# Altium PCB projet_pcb_nucleo_g431.PCBDOC
Units mil, origin at the board's own origin, x right, y up, seen from the top; angles counter-clockwise.
Board outline 3545 x 2760 mil, 2 copper layers (TopLayer, BottomLayer); 127 components, 120 nets, 443 pads, 0 vias.
Unrouted connection lines stored in the file: 274.
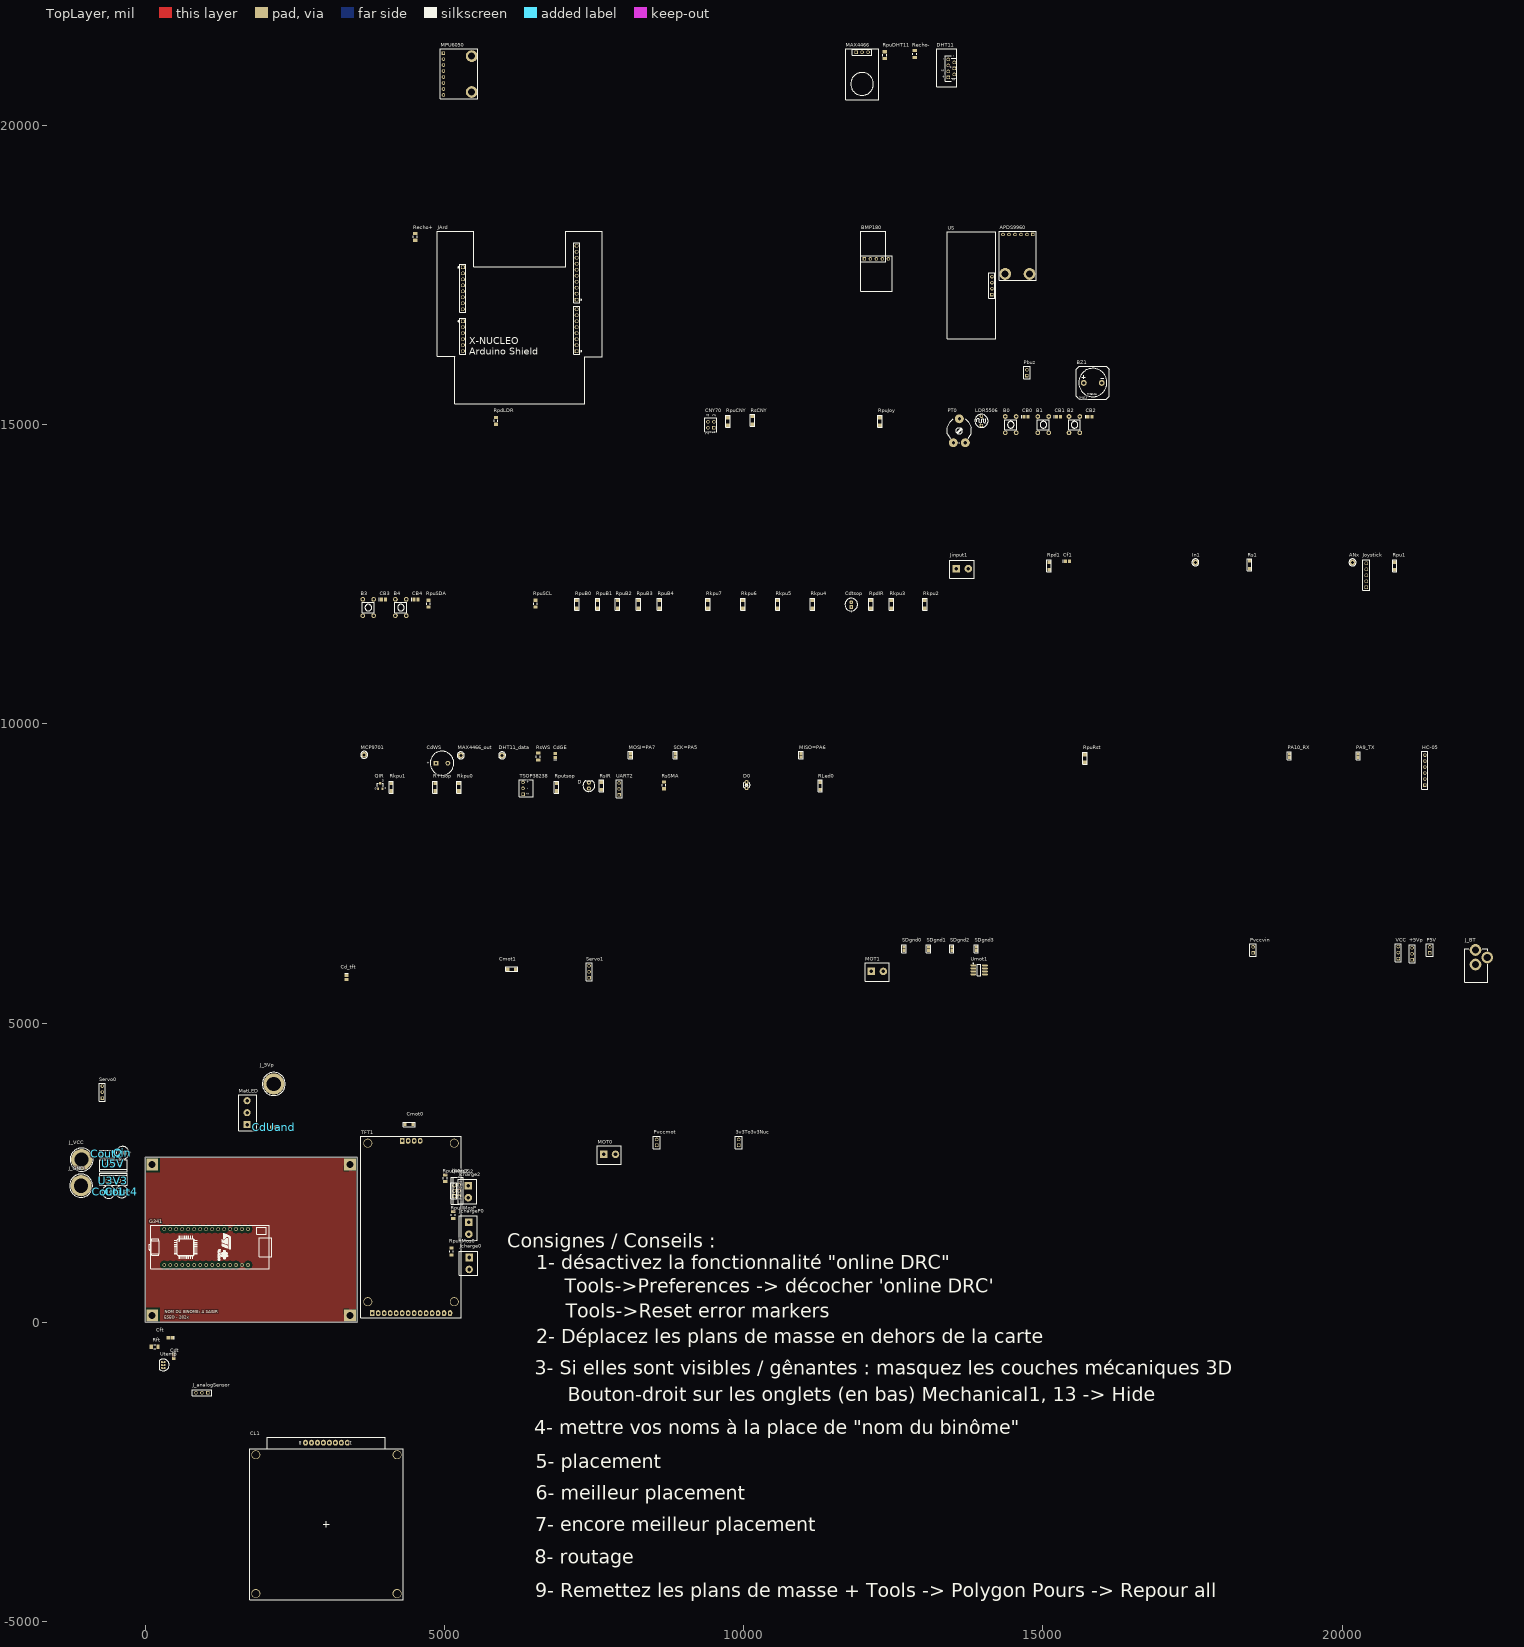
[diagram p0: TopLayer view]
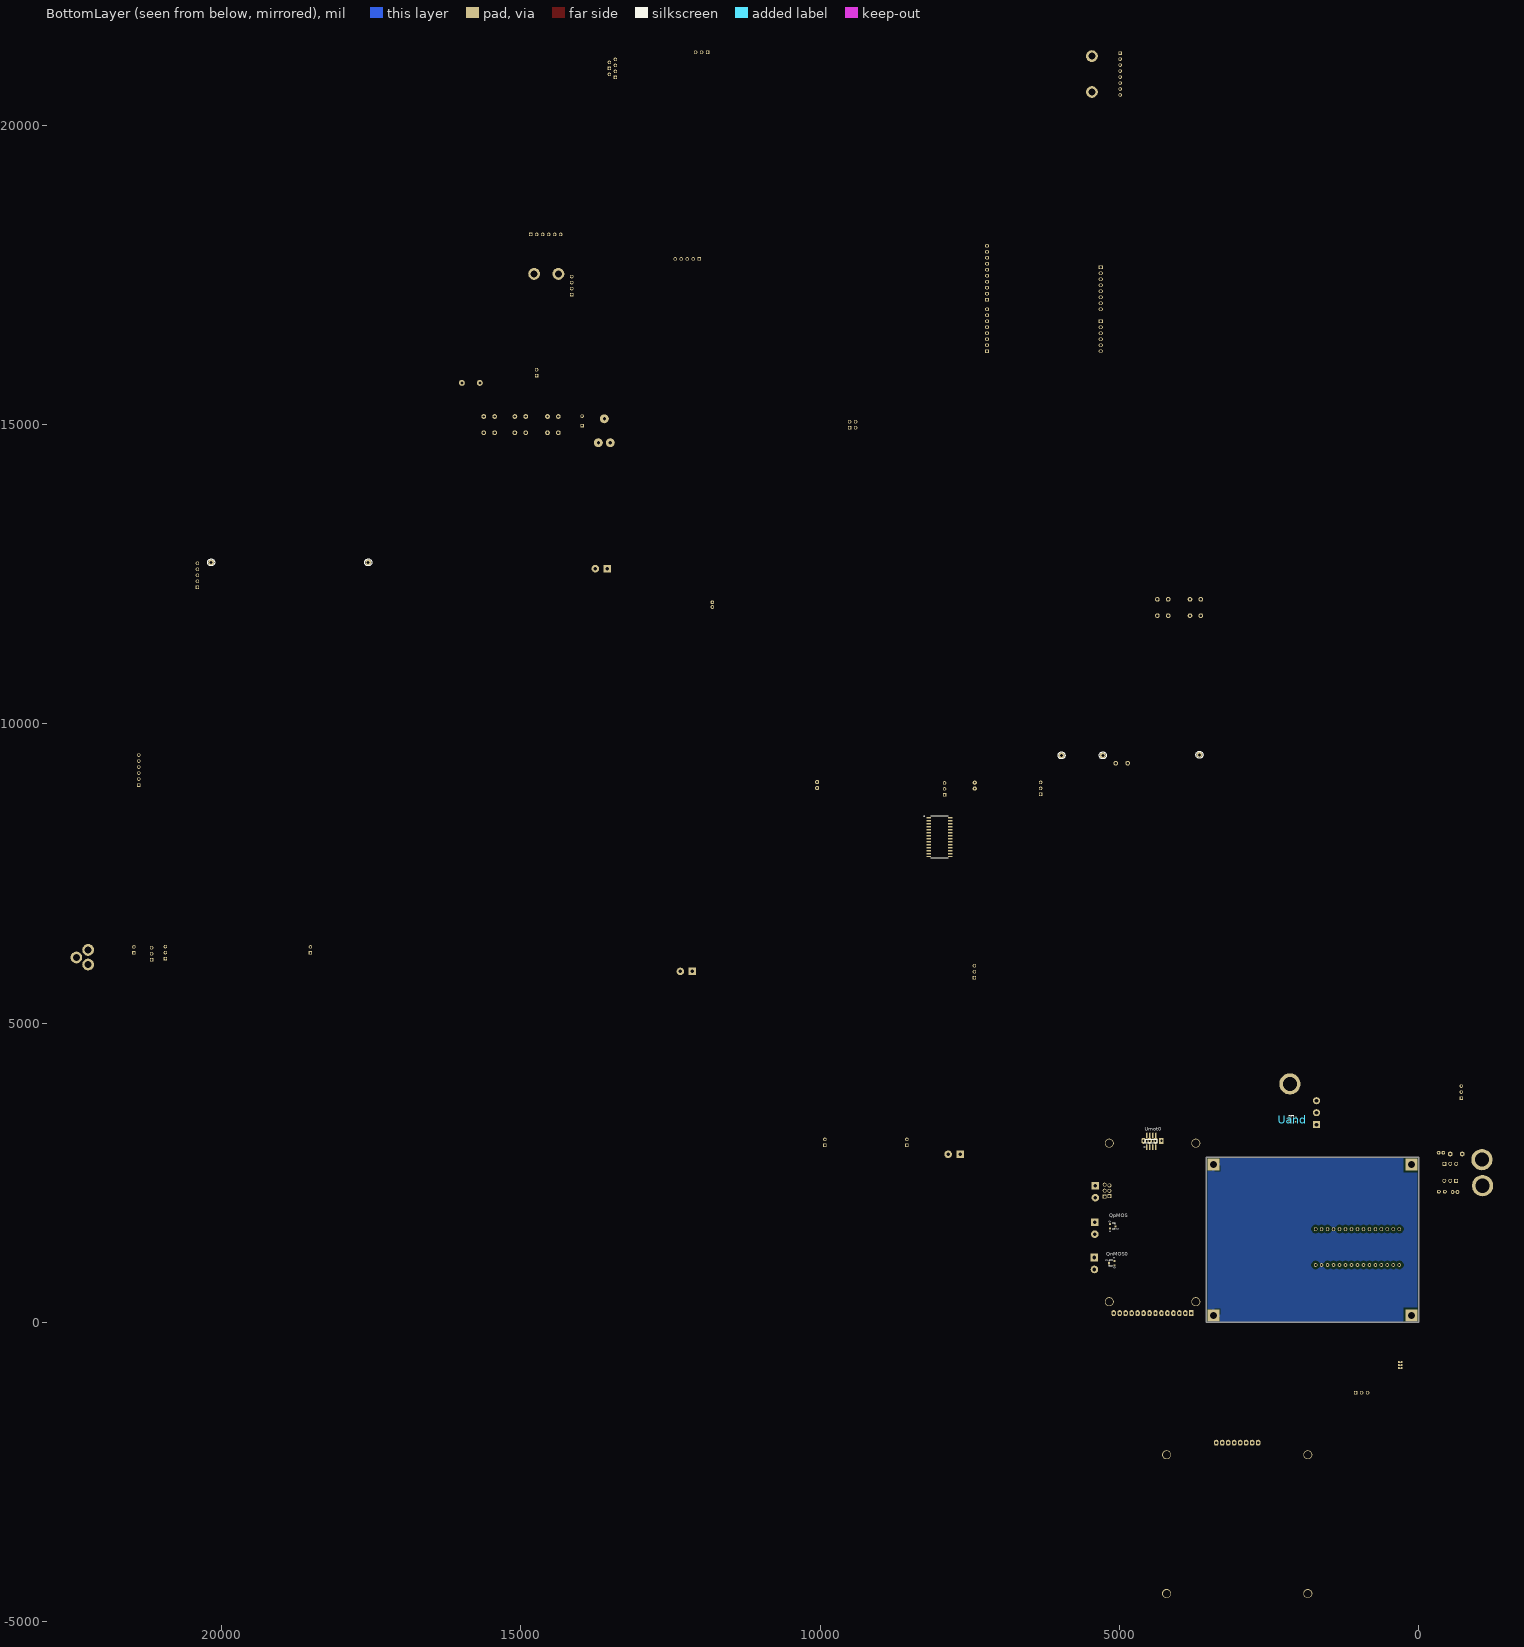
[diagram p1: BottomLayer view, seen from below]

## Layer stack, top to bottom
TopSolder: solder mask 0.4, Solder Resist, Dk 3.5
TopLayer: signal copper 1.4
Dielectric1: core 12.6, FR-4, Dk 4.8
BottomLayer: signal copper 1.4
BottomSolder: solder mask 0.4, Solder Resist, Dk 3.5

## Board outline
0,0 0,2760 3545,2760 3545,0

## Design rules (kind name [scope] priority, off if disabled: settings)
Clearance PowerPlaneClearance [InNamedPolygon('Bot-GND') Or  InNamedPolygon('Top-GND')] p1: gap=40 ignorepadtopadclearanceinfootprint=FALSE except(0: Arc-Hole Track-Hole SMDPad-Hole THPad-Hole Via-Hole Fill-Hole Poly-Hole Region-Hole Text-Hole)
Clearance [All] p2: gap=20 ignorepadtopadclearanceinfootprint=TRUE except(0: Arc-Hole Track-Hole SMDPad-Hole THPad-Hole Via-Hole Fill-Hole Poly-Hole Region-Hole Text-Hole)
FabricationTestPointUsage TestPointUsage [All] p1: valid=0 allowmultiple=FALSE
FabricationTestpoint Testpoint [All] p1: side=3 testpointundercomponent=TRUE minsize=40 maxsize=100 preferedsize=60 minholesize=20 maxholesize=40 preferedholesize=32 testpointgrid=1 allowsidetop=TRUE allowsidebottom=TRUE usegrid=TRUE gridtolerance=0.01
Height [All] p1: minheight=0 maxheight=2000 prefheight=500
HoleSize [All] p1: absolutevalues=TRUE maxlimit=300 minlimit=11.81 maxpercent=80.000 minpercent=20.000
PlaneClearance [All] p1: clearance=40
PlaneConnect [All] p1: planeconnectstyle=Relief reliefexpansion=19.68 reliefentries=4 reliefconductorwidth=40 reliefairgap=19.68
PolygonConnect [All] p1: connectstyle=Relief reliefconductorwidth=40 reliefentries=4 polygonreliefangle="90 Angle" airgapwidth=10
RoomDefinition projet_pcb_nucleo_g431 [InComponentClass('projet_pcb_nucleo_g431')] p1: confinementstyle=ConfineIn formatcopy=TRUE lockcomponents=FALSE outline 5090,95 6430,95 6430,570 5090,570
RoutingVias [All] p1: holewidth=23.62 width=60 viastyle="Through Hole" minholewidth=23.62 minwidth=60 maxholewidth=23.62 maxwidth=60
SilkToSolderMaskClearance SilkscreenOverComponentPads [IsPad] p1: minsilkscreentomaskgap=10 clearancetoexposedcopper=TRUE
SolderMaskExpansion [All] p1: expansion=2
Width [All] p1: maxlimit=1000 minlimit=20 preferedwidth=40
23 further rules are at their usual default settings.

## Components (designator, comment, footprint, x,y, rotation, side; value= is the part's Value field where it differs from the comment)
3v3To3v3Nuc "JUMPER2" BARRETTE_2_M_D 9920,2960 r90 top
+5Vp "BARRETTE3" HDR1X3 21170,6060 r90 top
ANx "Name" Point_Fil 20175,12700 r0 top
APDS9960 "APDS9960" APDS9960 14835,18180 r0 top
B0 "BOUTON_POUSSOIR_MINIATURE_TRAVERSANT" BOUTON_POUSSE_PLAT_6x6 14365,14850 r0 top
B1 "BOUTON_POUSSOIR_MINIATURE_TRAVERSANT" BOUTON_POUSSE_PLAT_6x6 14910,14850 r0 top
B2 "BOUTON_POUSSOIR_MINIATURE_TRAVERSANT" BOUTON_POUSSE_PLAT_6x6 15430,14850 r0 top
B3 "BOUTON_POUSSOIR_MINIATURE_TRAVERSANT" BOUTON_POUSSE_PLAT_6x6 3630,11795 r0 top
B4 "BOUTON_POUSSOIR_MINIATURE_TRAVERSANT" BOUTON_POUSSE_PLAT_6x6 4175,11795 r0 top
BMP180 "BMP180" BMP180 12020,17775 r0 top
BZ1 "BUZZER_SMA13" "BUZZER_SMA13  or TMB12A" 15685,15700 r0 top value=SMA13_or_TMB12A
CB0 "Condensateur 0805" C0805_N 14720,15135 r0 top value=100nF
CB1 "Condensateur 0805" C0805_N 15265,15135 r0 top value=100nF
CB2 "Condensateur 0805" C0805_N 15785,15135 r0 top value=100nF
CB3 "Condensateur 0805" C0805_N 3985,12080 r0 top value=100nF
CB4 "Condensateur 0805" C0805_N 4530,12080 r0 top value=100nF
Cd_tft "10uF" C0805_N 3365,5765 r270 top value=10µF
CdGE "CONDENSATEUR_CER_RAD_5.08" C0805_N 6855,9475 r90 top value=100nF
Cdt "Condensateur CMS 0805" C0805_N 480,-565 r270 top value=100nF
Cdtsop "CONDENSATEUR_POL_ELECTROLY_RAD_2.0/5.08" CONDENSATEUR_POLARISE_ELECTROLYTIQUE_RADIAL_2.0/5.08 11800,11995 r90 top value=4.7µF
CdUand "CONDENSATEUR_CER_RAD_5.08" C0805_N 2150,3260 r180 top value=100nF
CdWS "CONDENSATEUR_POL_ELECTROLY_RAD_5.08/10.16" CONDENSATEUR_POLARISE_ELECTROLYTIQUE_RADIAL_5.08/10.16 4860,9345 r0 top value=470µF/25V
Cf1 "Condensateur 0805" C0805_N 15410,12720 r0 top value=100nF
Cft "Condensateur CMS 0805" C0805_N 420,-255 r180 top value=100nF
Cin "CONDENSATEUR_POL_ELECTROLY_RAD_2.0/5.08" CONDENSATEUR_POLARISE_ELECTROLYTIQUE_RADIAL_2.0/5.08 -375,2835 r180 top value=10µF/>25V
CL1 "CLAVIER_16_TOUCHES" CLAVIER_16_TOUCHES 3380,-2010 r180 top
Cmot0 "CMS_1206" CONDENSATEUR_CMS_1206 4475.63,3310 r180 top value=10nF
Cmot1 "CMS_1206" CONDENSATEUR_CMS_1206 6060,5905 r0 top value=10nF
CNY70 "BARRETTE 2 CONTACTS 2 RANGEES FEMELLE DROITE" BARRETTE_2X2_F_D 9505,14950 r90 top
Cout1 "CONDENSATEUR_POL_ELECTROLY_RAD_2.0/5.08" CONDENSATEUR_POLARISE_ELECTROLYTIQUE_RADIAL_2.0/5.08 -610,2180 r0 top value=1µF/>10V
Cout2 "CONDENSATEUR_CER_RAD_5.08" CONDENSATEUR_CERAMIQUE_RADIAL_5.08 -530,2815 r180 top value=100nF
Cout4 "CONDENSATEUR_POL_ELECTROLY_RAD_2.54/5.08" CONDENSATEUR_POLARISE_ELECTROLYTIQUE_RADIAL_2.54/5.08 -340,2185 r180 top value=4.7µF/63V
D "LED_3MM" LED_5MM 7415,8970 r0 top
D0 "LED_3MM" LED_3MM 10050,8980 r0 top
DHT11 "DHT11" DHT11 13420,20805 r90 top
DHT11_data "Name" Point_Fil 5965,9475 r90 top
G341 "STM32G431KB" NUCLEO-G431KB 1020,1260 r270 top
HC-05 "BARRETTE_6 CONTACTS_1 RANGEE_FEMELLE_DROITE" BARRETTE_6_F_D 21385,8980 r90 top
In1 "Name" Point_Fil 17550,12700 r0 top
J_5Vp "DOUILLE BANANE 4mm" DOUILLE_BANANE_4mm#1 2150,3985 r0 top
J_analogSensor "BARRETTE 3 CONTACTS 1 RANGEE FEMELLE DROITE" BARRETTE_3_F_D 1050,-1175 r180 top
J_BT "EMBASE_BASSE_TENSION_2.1mm" EMBASE_BASSE_TENSION_2.1mm 22230,5685 r90 top
J_GND "DOUILLE BANANE 4mm" DOUILLE_BANANE_4mm#2 -1070,2285 r0 top
J_VCC "DOUILLE BANANE 4mm" DOUILLE_BANANE_4mm#2 -1060,2720 r0 top
JArd "X-NUCLEO-ArduinoShield" X-NUCLEO-ARDUINO_SHIELD 6260,17110 r0 top
Jcharge0 "BORNIER2 DROIT A VIS" BORNIER2_A_VIS 5415,1085 r270 top
Jcharge2 "BORNIER2 DROIT A VIS" BORNIER2_A_VIS 5400,2285 r270 top
JchargeP0 "BORNIER2 DROIT A VIS" BORNIER2_A_VIS 5410,1675 r270 top
Jinput1 "BORNIER2 DROIT A VIS" BORNIER2_A_VIS 13555,12595 r0 top
Joystick "BARRETTE_5 CONTACTS_1 RANGEE_MALE_DROITE" BARRETTE_5_M_D 20405,12285 r90 top
LDR5506 "LDR5506" LDR5506 13975,15065 r90 top
MatLED "BORNIER3 DROIT A VIS" BORNIER3_A_VIS 1705,3305 r90 top
MAX4466 "MAX4466" MAX4466 11880,21225 r0 top
MAX4466_out "Name" Point_Fil 5275,9475 r90 top
MCP9701 "Name" Point_Fil 3660,9485 r90 top
MISO=PA6 "Goutte Strap" GOUTTE_Starp 10960,9475 r90 top
MOSI=PA7 "Goutte Strap" GOUTTE_Starp 8110,9475 r90 top
MOT0 "BORNIER2 DROIT A VIS" BORNIER2_A_VIS 7660,2810 r0 top
MOT1 "BORNIER2 DROIT A VIS" BORNIER2_A_VIS 12135,5865 r0 top
MPU6050 "MPU6050" MPU6050 4985,21210 r90 top
P5V "JUMPER2" BARRETTE_2_M_D 21465,6175 r90 top
PA9_TX "Goutte Strap" GOUTTE_Starp 20270,9465 r90 top
PA10_RX "Goutte Strap" GOUTTE_Starp 19120,9465 r90 top
Pbuz "JUMPER2" BARRETTE_2_M_D 14735,15820 r90 top
PT0 "RESISTANCE_VARIABLE_TRAVERSANTE : PT10LV" TRIMMER_MONOTOUR_PT10LV 13505,14700 r0 top value=10K
Pvccmot "JUMPER2" BARRETTE_2_M_D 8550,2960 r90 top
Pvccvin "JUMPER2" BARRETTE_2_M_D 18515,6175 r90 top
QIR "TRANSISTOR_MOSFET-N_SOT23_GSD" TRANSISTOR_MOSFET-N_SOT23_GSD 3930,8965 r0 top
QnMOS0 "TRANSISTOR_MOSFET-N_SOT23_GSD" TRANSISTOR_MOSFET-N_SOT23_GSD 5125,990 r90 bottom
QnMOS2 "TRANSISTOR_MOSFET-N_TO220_GDS" TRANSISTOR_MOSFET-N_TO251AB_GDS+TO220 5165,2200 r90 top
QpMOS "TRANSISTOR_MOSFET-P_SOT23_GSD" TRANSISTOR_MOSFET-P_SOT23_GSD 5110,1605 r270 bottom
R+tsop "RESISTANCE_CMS_1206" RESISTANCE_CMS_1206 4845,8880 r90 top value=47
Recho+ "2.2k" R1206_N 4515,18140 r90 top
Recho- "3.3k" R1206_N 12860,21195 r90 top
Rft "10k" R1206_N 160,-405 r0 top
Rkpu0 "RESISTANCE_CMS_1206" RESISTANCE_CMS_1206 5245,8880 r90 top value=10k
Rkpu1 "RESISTANCE_CMS_1206" RESISTANCE_CMS_1206 4115,8880 r90 top value=10k
Rkpu2 "RESISTANCE_CMS_1206" RESISTANCE_CMS_1206 13030,11935 r90 top value=10k
Rkpu3 "RESISTANCE_CMS_1206" RESISTANCE_CMS_1206 12470,11935 r90 top value=10k
Rkpu4 "RESISTANCE_CMS_1206" RESISTANCE_CMS_1206 11150,11935 r90 top value=10k
Rkpu5 "RESISTANCE_CMS_1206" RESISTANCE_CMS_1206 10570,11935 r90 top value=10k
Rkpu6 "RESISTANCE_CMS_1206" RESISTANCE_CMS_1206 9990,11935 r90 top value=10k
Rkpu7 "RESISTANCE_CMS_1206" RESISTANCE_CMS_1206 9405,11935 r90 top value=10k
RLed0 "RESISTANCE_CMS_1206" RESISTANCE_CMS_1206 11280,8900 r90 top value=150
Rpd1 "RESISTANCE_CMS_1206" RESISTANCE_CMS_1206 15105,12575 r90 top value=10k
RpdIR "RESISTANCE_CMS_1206" RESISTANCE_CMS_1206 12130,11935 r90 top value=1K
RpdLDR "10k" R1206_N 5865,15065 r90 top
Rpu1 "RESISTANCE_CMS_1206" RESISTANCE_CMS_1206 20880,12575 r90 top value=10k
RpuB0 "RESISTANCE_CMS_1206" RESISTANCE_CMS_1206 7215,11935 r90 top value=10k
RpuB1 "RESISTANCE_CMS_1206" RESISTANCE_CMS_1206 7565,11935 r90 top value=10k
RpuB2 "RESISTANCE_CMS_1206" RESISTANCE_CMS_1206 7895,11935 r90 top value=10k
RpuB3 "RESISTANCE_CMS_1206" RESISTANCE_CMS_1206 8245,11935 r90 top value=10k
RpuB4 "RESISTANCE_CMS_1206" RESISTANCE_CMS_1206 8595,11935 r90 top value=10k
RpuCNY "RESISTANCE CMS 1206" RESISTANCE_CMS_1206 9740,14990 r90 top value=10K
RpuDHT11 "10k" R1206_N 12360,21175 r90 top
RpuJoy "RESISTANCE_CMS_1206" RESISTANCE_CMS_1206 12280,14990 r90 top value=10k
RpullMos0 "RESISTANCE_AXIALE_1/4W" R1206_N 5120,1185 r270 top value=10K
RpullMos2 "RESISTANCE_AXIALE_1/4W" R1206_N 5015,2410 r270 top value=10K
RpullMosP "RESISTANCE_AXIALE_1/4W" R1206_N 5150,1795 r270 top value=10K
RpuRst "RESISTANCE_CMS_1206" RESISTANCE_CMS_1206 15705,9360 r90 top value=10k
RpuSCL "RESISTANCE_CMS_1206" R1206_N 6525,12010 r90 top value=4.7k
RpuSDA "RESISTANCE_CMS_1206" R1206_N 4735,12010 r90 top value=4.7k
Rputsop "RESISTANCE_CMS_1206" RESISTANCE_CMS_1206 6875,8880 r90 top value=10K
Rs1 "RESISTANCE_CMS_1206" RESISTANCE_CMS_1206 18455,12595 r90 top value=10k
RsCNY "RESISTANCE CMS 1206" RESISTANCE_CMS_1206 10150,15010 r90 top value=100
RsIR "RESISTANCE_CMS_1206" RESISTANCE_CMS_1206 7625,8900 r90 top value=33
RsSMA "RESISTANCE_CMS_1206" R1206_N 8670,8975 r90 top value=220
RsWS "RESISTANCE_CMS_1206" R1206_N 6570,9455 r90 top value=220
SCK=PA5 "Goutte Strap" GOUTTE_Starp 8860,9475 r90 top
SDgnd0 "Goutte Strap" GOUTTE_Starp 12680,6240 r90 top
SDgnd1 "Goutte Strap" GOUTTE_Starp 13090,6240 r90 top
SDgnd2 "Goutte Strap" GOUTTE_Starp 13480,6240 r90 top
SDgnd3 "Goutte Strap" GOUTTE_Starp 13890,6240 r90 top
Servo0 "BARRETTE 3 CONTACTS 1 RANGEE MALE DROITE" BARRETTE_3_M_D -715,3750 r90 top
Servo1 "BARRETTE 3 CONTACTS 1 RANGEE MALE DROITE" BARRETTE_3_M_D 7420,5760 r90 top
TFT1 "ECRAN_TFT_2.4_TACTILE" ECRAN_TFT_2.4_TACTILE 5285,75 r90 top
TSOP38238 "TSOP38238" tsop38238 6315,8825 r90 top
U3V3 "REGULATEUR_TO220_78XX" REGULATEUR_TO220_78XX -530,2365 r0 top
U5V "REGULATEUR_TO220_78XX" REGULATEUR_TO220_78XX -530,2650 r180 top
Uand "SN74AHCT1G08DBVR" DBV0005A_N 2105,3390 r180 bottom
UART2 "BARRETTE3" HDR1X3 7920,8815 r90 top
Umot0 "BD6221F-E2" SOIC8_PAS=1.27_LARG=4_LONG=5 4465,3025 r90 bottom
Umot1 "BD6221F-E2" SOIC8_PAS=1.27_LARG=4_LONG=5 13935,5890 r0 top
US "HC-SR04" HC-SR04 14150,17175 r90 top
Utemp "CAPTEUR_TEMPERATURE_MCP9701-E/TO" COMPOSANT_TO92 305,-710 r180 top
VCC "BARRETTE3" HDR1X3 20940,6080 r90 top
? "MCP23S17-E/SO" SOIC127P1030X265-28N 8005,8110 r180 bottom

## Footprints (in the part's own frame and the unit in brackets; to place one, negate y for a bottom-side part, rotate by r counter-clockwise, add the part's x,y. Pads: shape width x height; smd on the part's side, far side on the other; paste and mask are expansions set on the pad)
APDS9960 [mm]
  rect 1.5x1.5 hole 0.9: 1(0,0)
  round 1.5 hole 0.9: 2(-2.54,0) 3(-5.08,0) 4(-7.62,0) 5(-10.16,0) 6(-12.7,0)
  round 5 hole 3: FIX(-11.77,-16.76) FIX(-1.44,-16.76)
  silkscreen extent -14.35,-19.43 1.4,1.27, body extent -14.35,-19.23 1.4,1.21, height 14.04
BARRETTE_2_M_D [mm] "BARRETTE 2 CONTACTS ; 1 RANGEE ; DROITE ; MALE ; ESPACEMENT BROCHES = 2.54 mm"
  rect 1.5x1.5 hole 0.9: 1(0,0)
  round 1.5 hole 0.9: 2(2.54,0)
  silkscreen extent -1.4,-1.4 3.94,1.4, body extent -1.3,-1.2 3.78,1.3, height 8.55
BARRETTE_2X2_F_D [mm] "BARRETTE 2 CONTACTS ; 2 RANGEES ; DROITE ; FEMELLE ; ESPACEMENT BROCHES = 2.54 mm"
  rect 1.5x1.5 hole 0.9: 1(0,0)
  round 1.5 hole 0.9: 2(0,2.54) 3(2.54,0) 4(2.54,2.54)
  silkscreen extent -1.6,-1.27 4.2,3.81, body extent -1.5,-1.2 4.09,3.75, height 8.5
BARRETTE_3_F_D [mm] "BARRETTE 3 CONTACTS ; 1 RANGEE ; DROITE ; FEMELLE ; ESPACEMENT BROCHES = 2.54 mm"
  rect 1.5x1.5 hole 0.9: 1(0,0)
  round 1.5 hole 0.9: 2(2.54,0) 3(5.08,0)
  silkscreen extent -1.7,-1.27 6.61,1.27, body extent -1.56,-1.21 6.56,1.2, height 8.5
BARRETTE_3_M_D [mm] "BARRETTE 3 CONTACTS ; 1 RANGEE ; DROITE ; MALE ; ESPACEMENT BROCHES = 2.54 mm"
  rect 1.5x1.5 hole 0.9: 1(0,0)
  round 1.5 hole 0.9: 2(2.54,0) 3(5.08,0)
  silkscreen extent -1.27,-1.27 6.35,1.27, body extent -1.21,-1.42 6.41,1.5, height 8.61
BARRETTE_5_M_D [mm] "BARRETTE 5 CONTACTS ; 1 RANGEE ; DROITE ; MALE ; ESPACEMENT BROCHES = 2.54 mm"
  rect 1.5x1.5 hole 0.9: 1(0,0)
  round 1.5 hole 0.9: 2(2.54,0) 3(5.08,0) 4(7.62,0) 5(10.16,0)
  silkscreen extent -1.38,-1.56 11.56,1.59, body extent -1.25,-1.42 11.45,1.5, height 8.51
BARRETTE_6_F_D [mm] "BARRETTE 6 CONTACTS ; 1 RANGEE ; DROITE ; FEMELLE ; ESPACEMENT BROCHES = 2.54 mm"
  rect 1.5x1.5 hole 0.9: 1(0,0)
  round 1.5 hole 0.9: 2(2.54,0) 3(5.08,0) 4(7.62,0) 5(10.16,0) 6(12.7,0)
  silkscreen extent -1.7,-1.27 14.3,1.27, body extent -1.57,-1.2 14.17,1.21, height 8.5
BMP180 [mm]
  rect 1.5x1.5 hole 0.9: 1(-0.02,-0.077)
  round 1.5 hole 0.9: 2(2.52,-0.077) 3(5.06,-0.077) 4(7.6,-0.077) 5(10.14,-0.077)
  silkscreen extent -1.62,-13.84 11.81,11.56, body extent -1.54,-13.85 11.68,11.48, height 14.24
BORNIER2_A_VIS [mm] "BORNIER 2 PLOTS A VIS ; VERTICAL ; ESPACEMENT BROCHES = 5.08mm"
  rect 3.2x3.2 hole 1.5: 1(0,0)
  round 3.2 hole 1.5: 2(5.08,0)
  silkscreen extent -2.69,-4.15 7.62,3.63, body extent -2.5,-4 7.5,3.5, height 10
BORNIER3_A_VIS [mm] "BORNIER 3 PLOTS A VIS ; VERTICAL ; ESPACEMENT BROCHES = 5.08mm"
  rect 3x3 hole 1.5: 1(0,0)
  round 3 hole 1.5: 2(5.08,0) 3(10.16,0)
  silkscreen extent -2.54,-4.16 12.74,3.64, body extent -2.4,-4 12.6,3.5, height 10
BOUTON_POUSSE_PLAT_6x6 [mil] "BOUTON POUSSOIR MINIATURE ON/OFF; BOUTON PLAT/LONG ; ESPACEMENT BROCHES = 7.62mm/5.08mm"
  round 79 hole 40: 1(7.87,15.75) 2(188.98,15.75) 3(188.98,287.4) 4(7.87,287.4)
  silkscreen extent 0,67 197,236, body extent -22,-1 222,310, height 276
"BUZZER_SMA13  or TMB12A" [mil] "BUZZER SMA13 ; DIMENSIONS :13.96mm x 13.96mm ; ESPACEMENT BROCHES : 7.62mm"
  round 99 hole 52: 1(0,0) 2(300,0)
  silkscreen extent -125,-275 425,275, body extent -126,-276 425,276, height 374
C0805_N [mm] "Chip Capacitor, Body 2.0x1.3mm, IPC Medium Density"
  rect 1.3x1.5 smd: 1(-0.85,0) 2(0.85,0)
  silkscreen extent -1.8,-0.65 -1.8,0.65, body extent -0.99,-0.63 1.01,0.63, height 0.8
CLAVIER_16_TOUCHES [mil] "CLAVIER 65mm x 69mm"
  oval 79x100 hole 40: 1(0,0) 2(100,0) 3(200,0) 4(300,0) 5(400,0) 6(500,0) 7(600,0) 8(700,0)
  round 150 hole 126: FIX1(-830,2520) FIX2(1530,2520) FIX3(1530,200) FIX4(-830,200)
  silkscreen extent -930,-95 1630,2620
COMPOSANT_TO92 [mm] "BOITIER TO92 ; 3 BROCHES EN LIGNE; DIAMETRE CORPS : 4.5mm ; BROCHES : 0.51mm x 0.48mm"
  rect 2x1 hole 0.6: 1(0,-1.27)
  oval 2x1 hole 0.6: 2(0,0) 3(0,1.27)
  silkscreen extent -2.48,-2.48 1.5,2.48, body extent -2.43,-2.4 1.5,2.4, height 6
CONDENSATEUR_CERAMIQUE_RADIAL_5.08 [mil] "CONDENSATEUR TRAVERSANT CERAMIQUE RADIAL ; DIMENSIONS : 3.17mm x 5.08mm"
  round 79 hole 40: 1(0,0) 2(200,0)
  silkscreen extent -25,-62 225,63, body extent -11,-43 209,42, height 148
CONDENSATEUR_CMS_1206 [mil] "CONDENSATEUR CMS 1206 ; DIMENSIONS : 3.2mm x 1.6mm"
  rect 51.18x60 smd: 1(0,0) 2(130,0)
  silkscreen extent -35,-39 165,39, body extent 0,-30 126,31, height 64
CONDENSATEUR_POLARISE_ELECTROLYTIQUE_RADIAL_2.0/5.08 [mil] "CONDENSATEUR POLARISE ELECTROLYTIQUE RADIAL ; DIAMETRE : 5.08mm ; ESPACEMENT BROCHES : 2mm"
  rect 64x64 / inner round 64 / far side round 64 hole 32: 1(-39.37,0)
  round 64 hole 32: 2(39.37,0)
  silkscreen extent -106,-106 106,105, body extent -98,-98 98,98, height 433
CONDENSATEUR_POLARISE_ELECTROLYTIQUE_RADIAL_2.54/5.08 [mil] "CONDENSATEUR_POLARISE_ELECTROLYTIQUE_RADIAL ; DIAMETRE : 5.08mm ; ESPACEMENT BROCHES : 2.54mm"
  rect 64x64 / inner round 64 / far side round 64 hole 32: 1(0,0)
  round 64 hole 32: 2(100,0)
  silkscreen extent -50,-100 150,100, body extent -50,-101 149,98, height 446
CONDENSATEUR_POLARISE_ELECTROLYTIQUE_RADIAL_5.08/10.16 [mil] "CONDENSATEUR POLARISE ELECTROLYTIQUE RADIAL ; DIAMETRE : 10.16mm ; ESPACEMENT BROCHES : 5.08mm"
  rect 79x79 / inner round 79 / far side round 79 hole 40: 1(0,0)
  round 79 hole 40: 2(200,0)
  silkscreen extent -98,-199 299,198, body extent -98,-197 295,197, height 630
DBV0005A_N [mm] "SOT23, 5-Leads, Body 3.05x1.75mm, Pitch 0.95mm, IPC Medium Density"
  rect 1x0.6 smd: 1(-1.375,0.95) 2(-1.375,0) 3(-1.375,-0.95) 4(1.375,-0.95) 5(1.375,0.95)
  silkscreen extent -1.5,-1.55 0.5,1.92, body extent -1.42,-1.46 1.42,1.46, height 1.08
DHT11 [mm] "HC-SR04 ; Telemetre UltraSon ; BARRETTE 4 CONTACTS ; 1 RANGEE ; DROITE ; FEMELLE ; ESPACEMENT BROCHES = 2.54 mm"
  rect 1.5x1.5 hole 0.9: 1(0,0) 1(3.81,-2.54)
  round 1.5 hole 0.9: 2(1.27,-2.54) 2(2.54,0) 3(5.08,0) 4(6.35,-2.54) 4(7.62,0)
  silkscreen extent -3.94,-3.68 12.06,4.95, body extent -3.93,-3.68 12.06,4.94, height 30.09
DOUILLE_BANANE_4mm#1 [mm] "DOUILLE BANANE ; DIAMETRE PASSAGE CONTACT = 4 mm ; DIAMETRE PERCAGE = 6 mm"
  round 9 hole 6: 1(0,0)
  TopLayer pour cut-out: -5.55,2.35 -4.2,4.3 -2.3,5.6 0,6 2.3,5.6 4.2,4.3 5.55,2.35 6,0 5.55,-2.35 4.3,-4.25 2.35,-5.55 0,-6 -2.35,-5.55 -4.2,-4.3 -5.55,-2.35 -6,0
  BottomLayer pour cut-out: -5.55,2.35 -4.2,4.3 -2.3,5.6 0,6 2.3,5.6 4.2,4.3 5.55,2.35 6,0 5.55,-2.35 4.3,-4.25 2.35,-5.55 0,-6 -2.35,-5.55 -4.2,-4.3 -5.55,-2.35 -6,0
  silkscreen extent -4.89,-4.89 4.89,4.89, body extent -5.5,-5.6 5.63,5.53, height 4.79
DOUILLE_BANANE_4mm#2 [mm] "DOUILLE BANANE ; DIAMETRE PASSAGE CONTACT = 4 mm ; DIAMETRE PERCAGE = 6 mm"
  round 9 hole 6: 1(0,0)
  silkscreen extent -4.89,-4.89 4.89,4.89, body extent -5.5,-5.6 5.63,5.53, height 4.79
ECRAN_TFT_2.4_TACTILE [mil]
  round 150 hole 125: 0(272.44,1563.78) 0(272.44,118.11) 0(2920.47,118.11) 0(2920.47,1563.78)
  rect 100x75 hole 40: 1(80,1490) 18(2959.84,990)
  oval 100x75 hole 40: 2(80,1390) 3(80,1290) 4(80,1190) 5(80,1090) 6(80,990) 7(80,890) 8(80,790) 9(80,690) 10(80,590) 11(80,490) 12(80,390) 13(80,290) 14(80,190) 15(2959.84,690) 16(2959.84,790) 17(2959.84,890)
  silkscreen extent 0,-1 3039,1682, body extent 0,-2 3039,1680, height 337
EMBASE_BASSE_TENSION_2.1mm [mm] "EMBASE D'ALIMENTATION BASSE TENSION ; FEMELLE ; CONTACT REPOS ENTRE 2/3 ; MONTAGE PCB ; COUDE ; ESPACEMENT BROCHES = 6.2mm/5.08mm"
  round 5 hole 3: 1(13.7,0) 2(10.5,-5) 3(7.5,0)
  silkscreen extent 0,-5.1 14.3,4.5, body extent 0.03,-4.98 14.18,4.6, height 11.05
GOUTTE_Starp [mil]
  rect 50x50 smd mask+7.87: 1(-25,0) 2(35,0)
  silkscreen extent -60,-35 70,35
HC-SR04 [mm] "HC-SR04 ; Telemetre UltraSon ; BARRETTE 4 CONTACTS ; 1 RANGEE ; DROITE ; FEMELLE ; ESPACEMENT BROCHES = 2.54 mm"
  rect 1.5x1.5 hole 0.9: 1(0,0)
  round 1.5 hole 0.9: 2(2.54,0) 3(5.08,0) 4(7.62,0)
  silkscreen extent -18.81,-1.58 26.69,18.92, body extent -18.81,-1.58 26.69,18.92, height 24.78
HDR1X3 [mm]
  rect 1.5x1.5 hole 0.9: 1(0,0)
  round 1.5 hole 0.9: 2(2.54,0) 3(5.08,0)
  silkscreen extent -1.27,-1.27 6.35,1.27, body extent -1.27,-1.27 6.35,1.27, height 10.1
LDR5506 [mm]
  rect 1.5x1.5 hole 0.9: 1(-2,0)
  round 1.5 hole 0.9: 2(2,0)
  silkscreen extent -2.79,-2.79 2.79,2.79, body extent -2.5,-1.8 2.5,1.8, height 1.52
LED_3MM [mm] "LED 3mm; 2 Leads"
  round 1.8 hole 0.8: 1(0,-1.27) 2(0,1.27)
  silkscreen extent -1.5,-1.06 1.5,1.06, body extent -1.64,-1.65 1.65,1.65, height 5.51
LED_5MM [mm] "LED 5mm; 2 Leads"
  round 1.8 hole 0.8: 1(0,-1.27) 2(0,1.27)
  silkscreen extent -2.5,-2.5 2.5,2.16, body extent -3.02,-2.99 3,2.5, height 12.31
MAX4466 [mm]
  rect 1.5x1.5 hole 0.9: 1(0,0)
  round 1.5 hole 0.9: 2(2.54,0) 3(5.08,0)
  silkscreen extent -4.44,-20.19 9.65,1.52, body extent -4.44,-20.07 9.53,1.52, height 17.6
MPU6050 [mm]
  rect 1.5x1.5 hole 0.9: 1(0,0)
  round 1.5 hole 0.9: 2(-2.54,0) 3(-5.08,0) 4(-7.62,0) 5(-10.16,0) 6(-12.7,0) 7(-15.24,0) 8(-17.78,0)
  round 5 hole 3: FIX(-16.51,-12) FIX(-1.27,-12)
  silkscreen extent -19.3,-14.6 1.91,1.27, body extent -19.3,-14.54 1.93,1.33, height 14.7
NUCLEO-G431KB [mil] "STM32 Nucleo-32 development board with STM32G431KB MCU"
  round 60 hole 39.37: 1(-300,700) 2(-300,600) 3(-300,500) 4(-300,400) 5(-300,300) 6(-300,200) 7(-300,100) 8(-300,0) 9(-300,-100) 10(-300,-200) 11(-300,-300) 12(-300,-400) 13(-300,-500) 14(-300,-600) 15(-300,-700) 16(300,700) 17(300,600) 18(300,500) 19(300,400) 20(300,300) 21(300,200) 22(300,100) 23(300,0) 24(300,-100) 25(300,-200) 26(300,-300) 27(300,-400) 28(300,-500) 29(300,-600) 30(300,-700)
  silkscreen extent -362,-955 366,1096, body extent -362,-953 368,1096, height 842
Point_Fil [mm] "PASTILLE TRAVERSANTE ; DIAMETRE = 3 mm ; DIAMETRE PERCAGE = 1.3 mm"
  round 2.5 hole 1.3: 1(0,0)
  silkscreen extent -1.5,-1.5 1.5,1.5
R1206_N [mm] "Chip Resistor, Body 3.2x1.6mm, IPC Medium Density"
  rect 1.3x1.8 smd: 1(-1.45,0) 2(1.45,0)
  silkscreen extent -0.4,-0.8 0.4,0.8, body extent -1.68,-0.87 1.68,0.87, height 0.71
REGULATEUR_TO220_78XX [mm] "BOITIER TO220 ; DIMENSIONS : 11.2mm x 4.7mm ; ESPACEMENT BROCHES : 2.54 mm"
  rect 1.7x1.7 hole 1.1: 1(-2.54,0)
  round 1.7 hole 1.1: 2(0,0) 3(2.54,0)
  silkscreen extent -5.83,-1.77 5.8,3.29, body extent -5.61,-1.59 5.61,3.1, height 19.33
RESISTANCE_CMS_1206 [mil] "RESISTANCE CMS 1206 ; DIMENSIONS : 3.2mm x 1.6mm"
  rect 60x60 smd: 1(0,0) 2(130,0)
  silkscreen extent -35,-35 165,35, body extent 0,-31 126,31, height 39
SOIC8_PAS=1.27_LARG=4_LONG=5 [mm] "Small Outline Integrated Circuit ; 8 Leads ; Body Width = 4 mm ; Pitch = 1.27 mm ; IPC Low Density"
  oval 2.5x0.7 smd: 1(-2.45,1.905) 2(-2.45,0.635) 3(-2.45,-0.635) 4(-2.45,-1.905) 5(2.45,-1.905) 6(2.45,-0.635) 7(2.45,0.635) 8(2.45,1.905)
  silkscreen extent -2.57,-2.5 0.8,2.93, body extent -3.01,-2.5 3,2.5, height 1.75
SOIC127P1030X265-28N [mm]
  rrect25% 1.9x0.6 smd: 1(-4.605,8.255) 2(-4.605,6.985) 3(-4.605,5.715) 4(-4.605,4.445) 5(-4.605,3.175) 6(-4.605,1.905) 7(-4.605,0.635) 8(-4.605,-0.635) 9(-4.605,-1.905) 10(-4.605,-3.175) 11(-4.605,-4.445) 12(-4.605,-5.715) 13(-4.605,-6.985) 14(-4.605,-8.255) 15(4.605,-8.255) 16(4.605,-6.985) 17(4.605,-5.715) 18(4.605,-4.445) 19(4.605,-3.175) 20(4.605,-1.905) 21(4.605,-0.635) 22(4.605,0.635) 23(4.605,1.905) 24(4.605,3.175) 25(4.605,4.445) 26(4.605,5.715) 27(4.605,6.985) 28(4.605,8.255)
  silkscreen extent -6.61,-8.95 3.75,8.95
TRANSISTOR_MOSFET-N_SOT23_GSD [mm] "SOT23 ; DIMENSIONS : 3.0mm x 2.5 mm"
  rect 0.9x0.95 smd: 1(-0.95,-1.175) 2(0.95,-1.175) 3(0,1.175)
  silkscreen extent -1.3,-0.3 1.3,1.18, body extent -1.5,-1.57 1.5,1.57, height 1.1
TRANSISTOR_MOSFET-N_TO251AB_GDS+TO220 [mm] "BOITIER TO251AB ; DIMENSIONS : 11.2mm x 4.7mm ; ESPACEMENT BROCHES : 2.28 mm"
  rect 1.7x1.7 hole 1.1: 1(-2.511,-2.001) 1(-2.28,0)
  round 1.7 hole 1.1: 2(0,0) 2(0.029,-2.001) 3(2.28,0) 3(2.569,-2.001)
  silkscreen extent -5.8,-3.77 5.83,1.4, body extent -5.58,-3.59 5.64,1.4, height 19.33
TRANSISTOR_MOSFET-P_SOT23_GSD [mm] "SOT23 ; DIMENSIONS : 3.0mm x 2.5 mm"
  rect 0.9x0.95 smd: 1(-0.95,-1.175) 2(0.95,-1.175) 3(0,1.175)
  silkscreen extent -1.3,-0.3 1.3,1.18, body extent -1.5,-1.57 1.5,1.57, height 1.1
TRIMMER_MONOTOUR_PT10LV [mil] "RESISTANCE VARIABLE MONOTOUR  PT10LV; DIMENSIONS : 10.16mm x 5.08mm"
  round 150 hole 52: 1(0,0) 2(100,400) 3(200,0)
  silkscreen extent -100,0 300,400, body extent -102,-9 303,408, height 246
tsop38238 [mm] "TSOP38238"
  rect 1.5x1.5 hole 0.9: 1(0,0)
  round 1.5 hole 0.9: 2(2.54,0) 3(5.08,0)
  silkscreen extent -1.14,-4.32 6.1,1.65, body extent -0.46,-4.19 5.54,1.41, height 9.47
X-NUCLEO-ARDUINO_SHIELD [mil]
  rect 70x55 hole 40: CN5-1(950,-20) CN6-1(-950,520) CN8-1(-950,-380) CN9-1(950,-880)
  oval 70x55 hole 40: CN5-2(950,80) CN5-3(950,180) CN5-4(950,280) CN5-5(950,380) CN5-6(950,480) CN5-7(950,580) CN5-8(950,680) CN5-9(950,780) CN5-10(950,880) CN6-2(-950,420) CN6-3(-950,320) CN6-4(-950,220) CN6-5(-950,120) CN6-6(-950,20) CN6-7(-950,-80) CN6-8(-950,-180) CN8-2(-950,-480) CN8-3(-950,-580) CN8-4(-950,-680) CN8-5(-950,-780) CN8-6(-950,-880) CN9-2(950,-780) CN9-3(950,-680) CN9-4(950,-580) CN9-5(950,-480) CN9-6(950,-380) CN9-7(950,-280) CN9-8(950,-180)
  silkscreen extent -1378,-1760 1380,1120

## Part data
3v3To3v3Nuc P5V Pbuz Pvccmot Pvccvin: "BARRETTE 2 CONTACTS 1 RANGEE MALE DROITE", Type=JUMPER2
+5Vp UART2 VCC: "Header, 3-Pin", LatestRevisionDate=17-Jul-2002, LatestRevisionNote="Re-released for DXP Platform.", Publisher="Altium Limited"
ANx DHT11_data In1 MAX4466_out MCP9701: library part "Point Test", "Point test", Publisher="Damien GUITTON"
B0 B1 B2 B3 B4: "BOUTON POUSSOIR MINIATURE TRAVERSANT ON/OFF", Type=B_POUSS_MINI_T
BZ1: library part BUZZER_SMA13_OR_TMB12A, "BUZZER SMA13", Type=BUZZER
CB0 CB1 CB2 CB3 CB4 Cf1: library part CONDENSATEUR_CER_RAD_5.08, Type=RADIAL_5.08
Cd_tft: library part CONDENSATEUR_CMS_CER_0805, "CONDENSATEUR CMS CERAMIQUE 0805", Type=Cd_tft
CdGE CdUand: library part , "CONDENSATEUR_CER_CMS_0805", Type=RADIAL_5.08
Cdt Cft: library part CONDENSATEUR_CER_RAD_5.08, "CONDENSATEUR CMS 0805", Type=RADIAL_5.08
Cdtsop Cin Cout1: "CONDENSATEUR POLARISE ELECTROLYTIQUE RADIAL 2.0/5.08", Type=POL_RAD_2.0/5.08
CdWS: "CONDENSATEUR POLARISE ELECTROLYTIQUE RADIAL 5.08/10.16", Type=POL_RAD_5.08/10.16
CL1: "CLAVIER 16 TOUCHES", Type=CLAVIER16
Cmot0 Cmot1: library part CONDENSATEUR_CMS_CER_1206, "CONDENSATEUR CMS CERAMIQUE 1206", Type=CMS_1206
CNY70: library part "BARRETTE_2 CONTACTS_2 RANGEES_FEMELLE_DROITE", Type=F_D_2X2
Cout2: "CONDENSATEUR TRAVERSANT CERAMIQUE RADIAL 5.08mm", Type=RADIAL_5.08
Cout4: "CONDENSATEUR POLARISE ELECTROLYTIQUE RADIAL 2.54/5.08", Type=POL_RAD_2.54/5.08
D D0: "LED 3MM - ROUGE/VERTE/JAUNE"
  D: Type=LED_IR
  D0: Type=LED_3mm
G341: library part G431_Nucleo, "The STM32 Nucleo-32 board provides an affordable and flexible way for users to try out new concepts and build prototypes by choosing from the various combinations of performance and power consumption features, provided by the STM32 microcontroller."
HC-05: "BARRETTE 6 CONTACTS 1 RANGEE FEMELLE DROITE", Type=F_D_6
J_5Vp J_GND J_VCC: library part DOUILLE_BANANE_4mm, "DOUILLE BANANE 4 mm", Type=BANANE_4mm
J_analogSensor: library part "BARRETTE_3 CONTACTS_1 RANGEE_FEMELLE_DROITE", Type=F_D_3
J_BT: "EMBASE BASSE TENSION 2.1mm", Type="EMBASE B.T. 2.1mm"
Jcharge0 Jcharge2 JchargeP0 Jinput1 MOT0 MOT1: library part "BORNIER2_DROIT_A VIS", "BORNIER 2 PLOTS DROIT A VIS 5.08mm", Type=BORNIER2_D
Joystick: "BARRETTE 5 CONTACTS 1 RANGEE MALE DROITE", Type=M_D_5
MatLED: library part "BORNIER3_DROIT_A VIS", "BORNIER 3 PLOTS DROIT A VIS 5.08mm", Type=BORNIER3_D
MISO=PA6 MOSI=PA7 PA9_TX PA10_RX SCK=PA5 SDgnd0 SDgnd1 SDgnd2 SDgnd3: "Goutte Strap_2", LatestRevisionDate=30/01/11, Publisher="Damien Guitton"
PT0: "RESISTANCE VARIABLE_TRAVERSANTE : PT10LV", Type=PT10LV
QIR QnMOS0: "TRANSISTOR MOSFET CANAL N BOITIER SOT23_GSD", Package=SOT23
  QIR: Type=IRFML8244
  QnMOS0: Type=IRFML8244TRPBF
QnMOS2: "TRANSISTOR MOSFET CANAL N BOITIER TO220_GDS", Package=TO251-AA
QpMOS: "TRANSISTOR MOSFET CANAL P BOITIER SOT23_GSD", Package=SOT23, Type=IRLML5103
R+tsop Rkpu0 Rkpu1 Rkpu2 Rkpu3 Rkpu4 Rkpu5 Rkpu6 Rkpu7 RLed0 Rpd1 RpdIR Rpu1 RpuB0 RpuB1 RpuB2 RpuB3 RpuB4 RpuJoy RpuRst RpuSCL RpuSDA Rputsop Rs1 RsIR RsSMA RsWS: "RESISTANCE CMS 1206", Type=CMS_1206
Recho+ Recho- Rft RpdLDR RpuDHT11: library part Resistor, "Resistor", LatestRevisionDate=17-Jul-2002, LatestRevisionNote="Re-released for DXP Platform.", PackageReference=AXIAL-0.5, Published=8-Jun-2000, Publisher="Altium Limited"
RpuCNY RsCNY: library part RESISTANCE_CMS_1206, Type=CMS_1206
RpullMos0 RpullMos2 RpullMosP: "RESISTANCE TRAVERSANTE AXIALE 1/4W", Type=1/4W
Servo0 Servo1: library part "BARRETTE_3 CONTACTS_1 RANGEE_MALE_DROITE", Type=M_D_3
TSOP38238: library part RECEPTEUR_INFRAROUGE_TSOP38238_38kHz, "RECEPTEUR_INFRAROUGE_TSOP38238_38kHz", Type=TSOP38238
U3V3 U5V: "REGULATEUR DE TENSION POSITIVE 78XX BOITIER TO220", Package=(TO220)
  U3V3: Type=LF33CV
  U5V: Type=7805
Uand: "Single 2-Input Positive-AND Gate, DBV0005A, LARGE T&R", F @ Nom Voltage(Max)(Mhz)=75, Generic Part Number=SN74AHCT1G08, ICC @ Nom Voltage(Max)(mA)=0.01, Manufacturer="Texas Instruments", Operating Temperature Range(C)="-40 to 125", Rating=Catalog, Supplier Part Number 1=595-SN74AHCT1G08DBVR, tpd @ Nom Voltage(Max)(ns)=7.1, Voltage(Nom)(V)=5, 3-State Output=No, Bits(#)=1, ComponentLink1Description="Manufacturer URL", ComponentLink1URL=http://www.ti.com/, ComponentLink2Description=Datasheet, ComponentLink2URL=http://www.ti.com/lit/ds/symlink/sn74ahct1g08.pdf, DatasheetVersion=SCLS315P, Gate Type=AND, Input Type=CMOS, Logic=True, Output Drive (IOL/IOH)(Max)(mA)=8/-8, Output Type=CMOS, PackageReference=DBV0005A, PartNumber=SN74AHCT1G08DBVR, Schmitt Trigger=No, Sub-Family="AND Gate", Supplier 1=Mouser, Supplier 2=Digi-Key, Supplier 3=Digi-Key, Supplier 4=Digi-Key, Supplier Part Number 2=296-1113-2-ND, Supplier Part Number 3=296-1113-1-ND, Supplier Part Number 4=296-1113-6-ND, Technology Family=AHCT, VCC(Max)(V)=5.5, VCC(Min)(V)=2
Umot0 Umot1: library part BD6220F, "H Bridge - 2A"
Utemp: "CAPTEUR DE TEMPERATURE ANALOGIQUE LINEAIRE - TO92", Type=MCP9701-E/TO
?: "I/O Expander 16 SPI 10MHz 28-SOIC", Package="SOIC-28 Microchip", Availability=Unavailable, MF=Microchip, MP=MCP23S17-E/SO, Price=None, SnapEDA_Link=https://www.snapeda.com/parts/MCP23S17-E/SO/Microchip/view-part/48911/?ref=snap

## Free pads (board coordinates)
  rect 196.85x196.85 hole 118.11: 1(118.11,2637.8) 2(118.11,118.11) 3(3425.2,118.11) 4(3425.2,2637.8)

## Nets (pads, with @x,y where several pads share a name; then routed paths per layer and width w, separated by ;. In a path a pad name is that pad's centre, name@x,y a point inside that pad or via, vN(x,y) a via of type N, cw(c..) or ccw(c..) an arc to the next point about the centre after c; other vN are vias at no path point)
+3V3_NUC: 3v3To3v3Nuc.2 G341.29 RpuSCL.2 RpuSDA.2
+5V: BMP180.1 Cdt.1 Cout1.1 Cout2.2 HC-05.2 JArd.CN6-5 P5V.1 RsCNY.1 RsIR.2 U3V3.1 U5V.3 US.1 Utemp.1
+5V_NUC: G341.19 P5V.2
+5V_Puissance: +5Vp.1 +5Vp.2 +5Vp.3 CdUand.2 CdWS.1 J_5Vp.1 MatLED.3 Servo0.2 Servo1.2 Uand.5
BP0: B0.2 CB0.2 RpuB0.1
BP1: B1.2 CB1.2 RpuB1.1
BP2: B2.2 CB2.2 RpuB2.1
BP3: B3.2 CB3.2 RpuB3.1
BP4: B4.2 CB4.2 RpuB4.1
Buzzer: Pbuz.1
CNY70_out: CNY70.4 RpuCNY.2
GND: ?.10 ?.15 ?.16 ?.17 APDS9960.2 B0.1 B1.1 B2.1 B3.1 B4.1 BMP180.2 BZ1.2 CB0.1 CB1.1 CB2.1 CB3.1 CB4.1 Cd_tft.1 CdGE.1 Cdt.2 Cdtsop.2 CdUand.1 CdWS.2 Cf1.1 Cft.2 Cin.2 Cmot0.1 Cmot1.1 CNY70.2 CNY70.3 Cout1.2 Cout2.1 Cout4.2 D0.2 DHT11.4 G341.4 G341.17 HC-05.3 J_analogSensor.1 J_BT.2 J_BT.3 J_GND.1 JArd.CN5-7 JArd.CN6-6 JArd.CN6-7 JchargeP0.2 Jinput1.1 Joystick.1 MatLED.1 MAX4466.3 MPU6050.2 pad.3 pad.4 PT0.1 QIR.2 QnMOS0.2 QnMOS2.3 Recho-.1 Rpd1.1 RpdIR.1 RpdLDR.2 RpullMos0.1 RpullMos2.1 SDgnd0.1 SDgnd1.1 SDgnd2.1 SDgnd3.1 Servo0.1 Servo1.1 TFT1.2 TSOP38238.2 U3V3.2 U5V.2 Uand.3 UART2.1 Umot0.8 Umot1.8 US.4 Utemp.3
GPA0: ?.21
GPA1: ?.22
GPA2: ?.23
GPA3: ?.24
GPA4: ?.25
GPA5: ?.26
GPA6: ?.27
GPA7: ?.28
GPB0: ?.1
GPB1: ?.2
GPB2: ?.3
GPB3: ?.4
GPB4: ?.5
GPB5: ?.6
GPB6: ?.7
GPB7: ?.8
HC-05_Key: HC-05.1
HC-05_RX: HC-05.5 PA9_TX.1
HC-05_State: HC-05.6
HC-05_TX: HC-05.4 PA10_RX.1
JoyBT: Joystick.5 RpuJoy.1
JoyX: Joystick.3
JoyY: Joystick.4
KEYB0: CL1.1 Rkpu0.1
KEYB1: CL1.2 Rkpu1.1
KEYB2: CL1.3 Rkpu2.1
KEYB3: CL1.4 Rkpu3.1
KEYB4: CL1.5 Rkpu4.1
KEYB5: CL1.6 Rkpu5.1
KEYB6: CL1.7 Rkpu6.1
KEYB7: CL1.8 Rkpu7.1
LED0: RLed0.2
LED_IR: QIR.1 RpdIR.2
LEDS_WS2812: Uand.1 Uand.2
MCP_CS: ?.11
MCP_INTA: ?.20
MCP_INTB: ?.19
MCP_MISO: ?.14 MISO=PA6.1
MCP_MOSI: ?.13 MOSI=PA7.2
MCP_RST: ?.18 RpuRst.1
MCP_SCK: ?.12 SCK=PA5.2
MOT0_1: MOT0.1 Umot0.1
MOT0_2: MOT0.2 Umot0.7
MOT1_1: MOT1.1 Umot1.1
MOT1_2: MOT1.2 Umot1.7
MPU6050_Vcc: MPU6050.1
NetANx_1: ANx.1 J_analogSensor.2
NetBZ1_1: BZ1.1 RsSMA.1
NetCdtsop_1: Cdtsop.1 R+tsop.2 TSOP38238.3
NetCf1_2: Cf1.2 In1.1 Rpd1.2 Rs1.1
NetCNY70_1: CNY70.1 RsCNY.2
NetD0_1: D0.1 RLed0.1
NetD_1: D.1 RsIR.1
NetD_2: D.2 QIR.3
NetDHT11_2: DHT11.2 DHT11_data.1 RpuDHT11.2
NetJcharge0_2: Jcharge0.2 QnMOS0.3
NetJcharge2_2: Jcharge2.2 QnMOS2.2
NetJchargeP0_1: JchargeP0.1 QpMOS.3
NetJinput1_2: Jinput1.2 Rpu1.1 Rs1.2
NetMAX4466_2: MAX4466.2 MAX4466_out.1
NetPbuz_2: Pbuz.2 RsSMA.2
NetQnMOS0_1: QnMOS0.1 RpullMos0.2
NetQnMOS2_1: QnMOS2.1 RpullMos2.2
NetQpMOS_1: QpMOS.1 RpullMosP.1
NetRecho+_2: Recho+.2 Recho-.2
NetRft_2: Rft.2 Utemp.2
NetRsWS_2: RsWS.2 Uand.4
NRST: G341.3 G341.18
PA0: G341.27 JArd.CN8-5
PA1: G341.26 JArd.CN8-6
PA2_UART2_TX: G341.20 JArd.CN9-2 UART2.2
PA3_UART2_RX: G341.25 JArd.CN9-1 UART2.3
PA4: G341.24 TFT1.3
PA5(PB7): G341.23 JArd.CN5-6 SCK=PA5.1 SDgnd0.2 TFT1.7 TFT1.10 TFT1.15
PA6(PA15): G341.22 JArd.CN5-5 MISO=PA6.2 SDgnd1.2 TFT1.9 TFT1.13 TFT1.16
PA7: G341.21 JArd.CN5-4 MOSI=PA7.1 SDgnd2.2 TFT1.6 TFT1.12 TFT1.17
PA8: G341.12 TFT1.5
PA9: G341.1 JArd.CN5-1 PA9_TX.2
PA10: G341.2 JArd.CN9-3 PA10_RX.2
PA11: G341.13 TFT1.11
PA12: G341.5
PA15_I2C_SCL: APDS9960.5 BMP180.3 G341.8 JArd.CN5-10 MPU6050.3 RpuSCL.1
PB0: G341.6 JArd.CN8-4
PB3/(PB8): G341.30 TFT1.4
PB4: G341.15 JArd.CN5-2
PB5: G341.14 TFT1.14
PB6: G341.9 JArd.CN5-3
PB7_I2C_SDA: APDS9960.4 BMP180.4 G341.7 JArd.CN5-9 MPU6050.4 RpuSDA.1
PF0: G341.10
PF1: G341.11
PhotoR: LDR5506.1 RpdLDR.1
Pot0: PT0.2
PWM_Fin0: Umot0.4
PWM_Fin1: Umot1.4
PWM_Rin0: Umot0.5
PWM_Rin1: Umot1.5
SD_CS: SDgnd3.2 TFT1.18
servo0: Servo0.3
servo1: Servo1.3
TEMPE: Cft.1 MCP9701.1 Rft.1
TFT-LED: 3v3To3v3Nuc.1 ?.9 APDS9960.3 Cd_tft.2 CdGE.2 Cout4.1 DHT11.1 J_analogSensor.3 JArd.CN5-8 JArd.CN6-2 JArd.CN6-4 Joystick.2 LDR5506.2 MAX4466.1 PT0.3 QpMOS.2 R+tsop.1 Rkpu0.2 Rkpu1.2 Rkpu2.2 Rkpu3.2 Rkpu4.2 Rkpu5.2 Rkpu6.2 Rkpu7.2 Rpu1.2 RpuB0.2 RpuB1.2 RpuB2.2 RpuB3.2 RpuB4.2 RpuCNY.1 RpuDHT11.1 RpuJoy.2 RpullMosP.2 RpuRst.2 Rputsop.1 TFT1.1 TFT1.8 U3V3.3
TSOP: Rputsop.2 TSOP38238.1
US_ECHO: Recho+.1 US.3
US_Trigger: US.2
VCC: Cin.1 J_BT.1 J_VCC.1 Pvccmot.1 Pvccvin.1 U5V.1 VCC.1 VCC.2 VCC.3
VCCmot: Cmot0.2 Cmot1.2 Pvccmot.2 Umot0.2 Umot0.3 Umot0.6 Umot1.2 Umot1.3 Umot1.6
VIN: G341.16 Pvccvin.2
WS2812_data: MatLED.2 RsWS.1
pads on no net: APDS9960.1 APDS9960.6 APDS9960.FIX B0.3 B0.4 B1.3 B1.4 B2.3 B2.4 B3.3 B3.4 B4.3 B4.4 BMP180.5 CL1.FIX1 CL1.FIX2 CL1.FIX3 CL1.FIX4 DHT11.3 G341.28 JArd.CN6-1 JArd.CN6-3 JArd.CN6-8 JArd.CN8-1 JArd.CN8-2 JArd.CN8-3 JArd.CN9-4 JArd.CN9-5 JArd.CN9-6 JArd.CN9-7 JArd.CN9-8 Jcharge0.1 Jcharge2.1 MPU6050.5 MPU6050.6 MPU6050.7 MPU6050.8 MPU6050.FIX TFT1.0

## Polygon pours and split planes (outlines as drawn)
GND on TopLayer "Top-GND" (solid, pour order 4): 20,2740 3525,2740 3525,15 20,15
GND on BottomLayer "Bot-GND" (solid, pour order 5): 20,2740 3525,2740 3525,15 20,15

## Other copper
TopLayer:

## Silkscreen, mask and mechanical layers (free items; w line width, h text height)
TopOverlay:
  text "Consignes / Conseils :" at 6055,1175 h393.7
  text "1- désactivez la fonctionnalité \"online DRC\"" at 6540,810 h393.7
  text "Tools->Preferences -> décocher 'online DRC'" at 7015,425 h393.7
  text "NOM DU BINOME: A SAISIR" at 325,155 h50
  text "ESEO - 202x" at 320,60 h50
  text "Tools->Reset error markers" at 7030,0 h393.7
  text "2- Déplacez les plans de masse en dehors de la carte" at 6535,-425 h393.7
  text "3- Si elles sont visibles / gênantes : masquez les couches mécaniques 3D" at 6510,-950 h393.7
  text "Bouton-droit sur les onglets (en bas) Mechanical1, 13 -> Hide" at 7060,-1395 h393.7
  text "4- mettre vos noms à la place de \"nom du binôme\"" at 6505,-1940 h393.7
  text "5- placement" at 6525,-2510 h393.7
  text "6- meilleur placement" at 6525,-3040 h393.7
  text "7- encore meilleur placement" at 6515,-3565 h393.7
  text "8- routage" at 6510,-4105 h393.7
  text "9- Remettez les plans de masse + Tools -> Polygon Pours -> Repour all" at 6515,-4670 h393.7
Mechanical1:
  the board outline again, w20

## Text inside footprints (layer, text, board x,y; h text height)
BZ1: TopOverlay "TMB12A" at 15745,15495 h30; TopOverlay "SMA13" at 15610,15435 h30
Cdtsop: TopOverlay "+" at 11821.65,11846.18 h45 r90
CdWS: TopOverlay "+" at 4706.06,9325.71 h45
Cin: TopOverlay "+" at -226.18,2856.65 h45 r180
CL1: TopOverlay "1" at 3460,-1985 h56.25 r180; TopOverlay "8" at 2615,-1985 h56.25 r180
CNY70: TopOverlay "3" at 9536.5,15135.04 h50 r90; TopOverlay "4" at 9426.26,15135.04 h50 r90; TopOverlay "2" at 9422.32,14835.83 h50 r90; TopOverlay "1" at 9528.62,14847.64 h50 r90
Cout1: TopOverlay "+" at -758.82,2158.35 h45
Cout4: TopOverlay "+" at -243.15,2206.65 h45 r180
DHT11: TopOverlay "S" at 13540,20750 h40 r90; TopOverlay "S" at 13355,20895 h40 r90; TopOverlay "-" at 13540,21145 h40 r90; TopOverlay "-" at 13365,21095 h40 r90; TopOverlay "+" at 13360,20790 h40 r90; TopOverlay "+" at 13485,20945 h40 r90
JArd: TopOverlay "X-NUCLEO / Arduino Shield" at 5415.51,16172.01 h118.11
QIR: TopOverlay "D" at 3961.5,9031.93 h31.5; TopOverlay "S" at 4000.87,8905.94 h31.5; TopOverlay "G" at 3835.51,8902.01 h31.5
QnMOS0: BottomOverlay "D" at 5191.93,1021.5 h31.5 r270; BottomOverlay "S" at 5065.94,1060.87 h31.5 r270; BottomOverlay "G" at 5062.01,895.51 h31.5 r270
QnMOS2: TopOverlay "S" at 5290.98,2335.83 h27.56 r90; TopOverlay "D" at 5294.92,2237.4 h27.56 r90; TopOverlay "G" at 5292.95,2038.58 h27.56 r90
QpMOS: BottomOverlay "G" at 5172.99,1699.49 h31.5 r90; BottomOverlay "S" at 5169.06,1534.13 h31.5 r90; BottomOverlay "D" at 5043.07,1573.5 h31.5 r90
TSOP38238: TopOverlay "+" at 6420,9010 h40 r90; TopOverlay "s" at 6410,8815 h40 r90; TopOverlay "-" at 6420,8910 h40 r90